# Altium PCB uAMDC.PcbDoc (part 4 of 6) (continued)
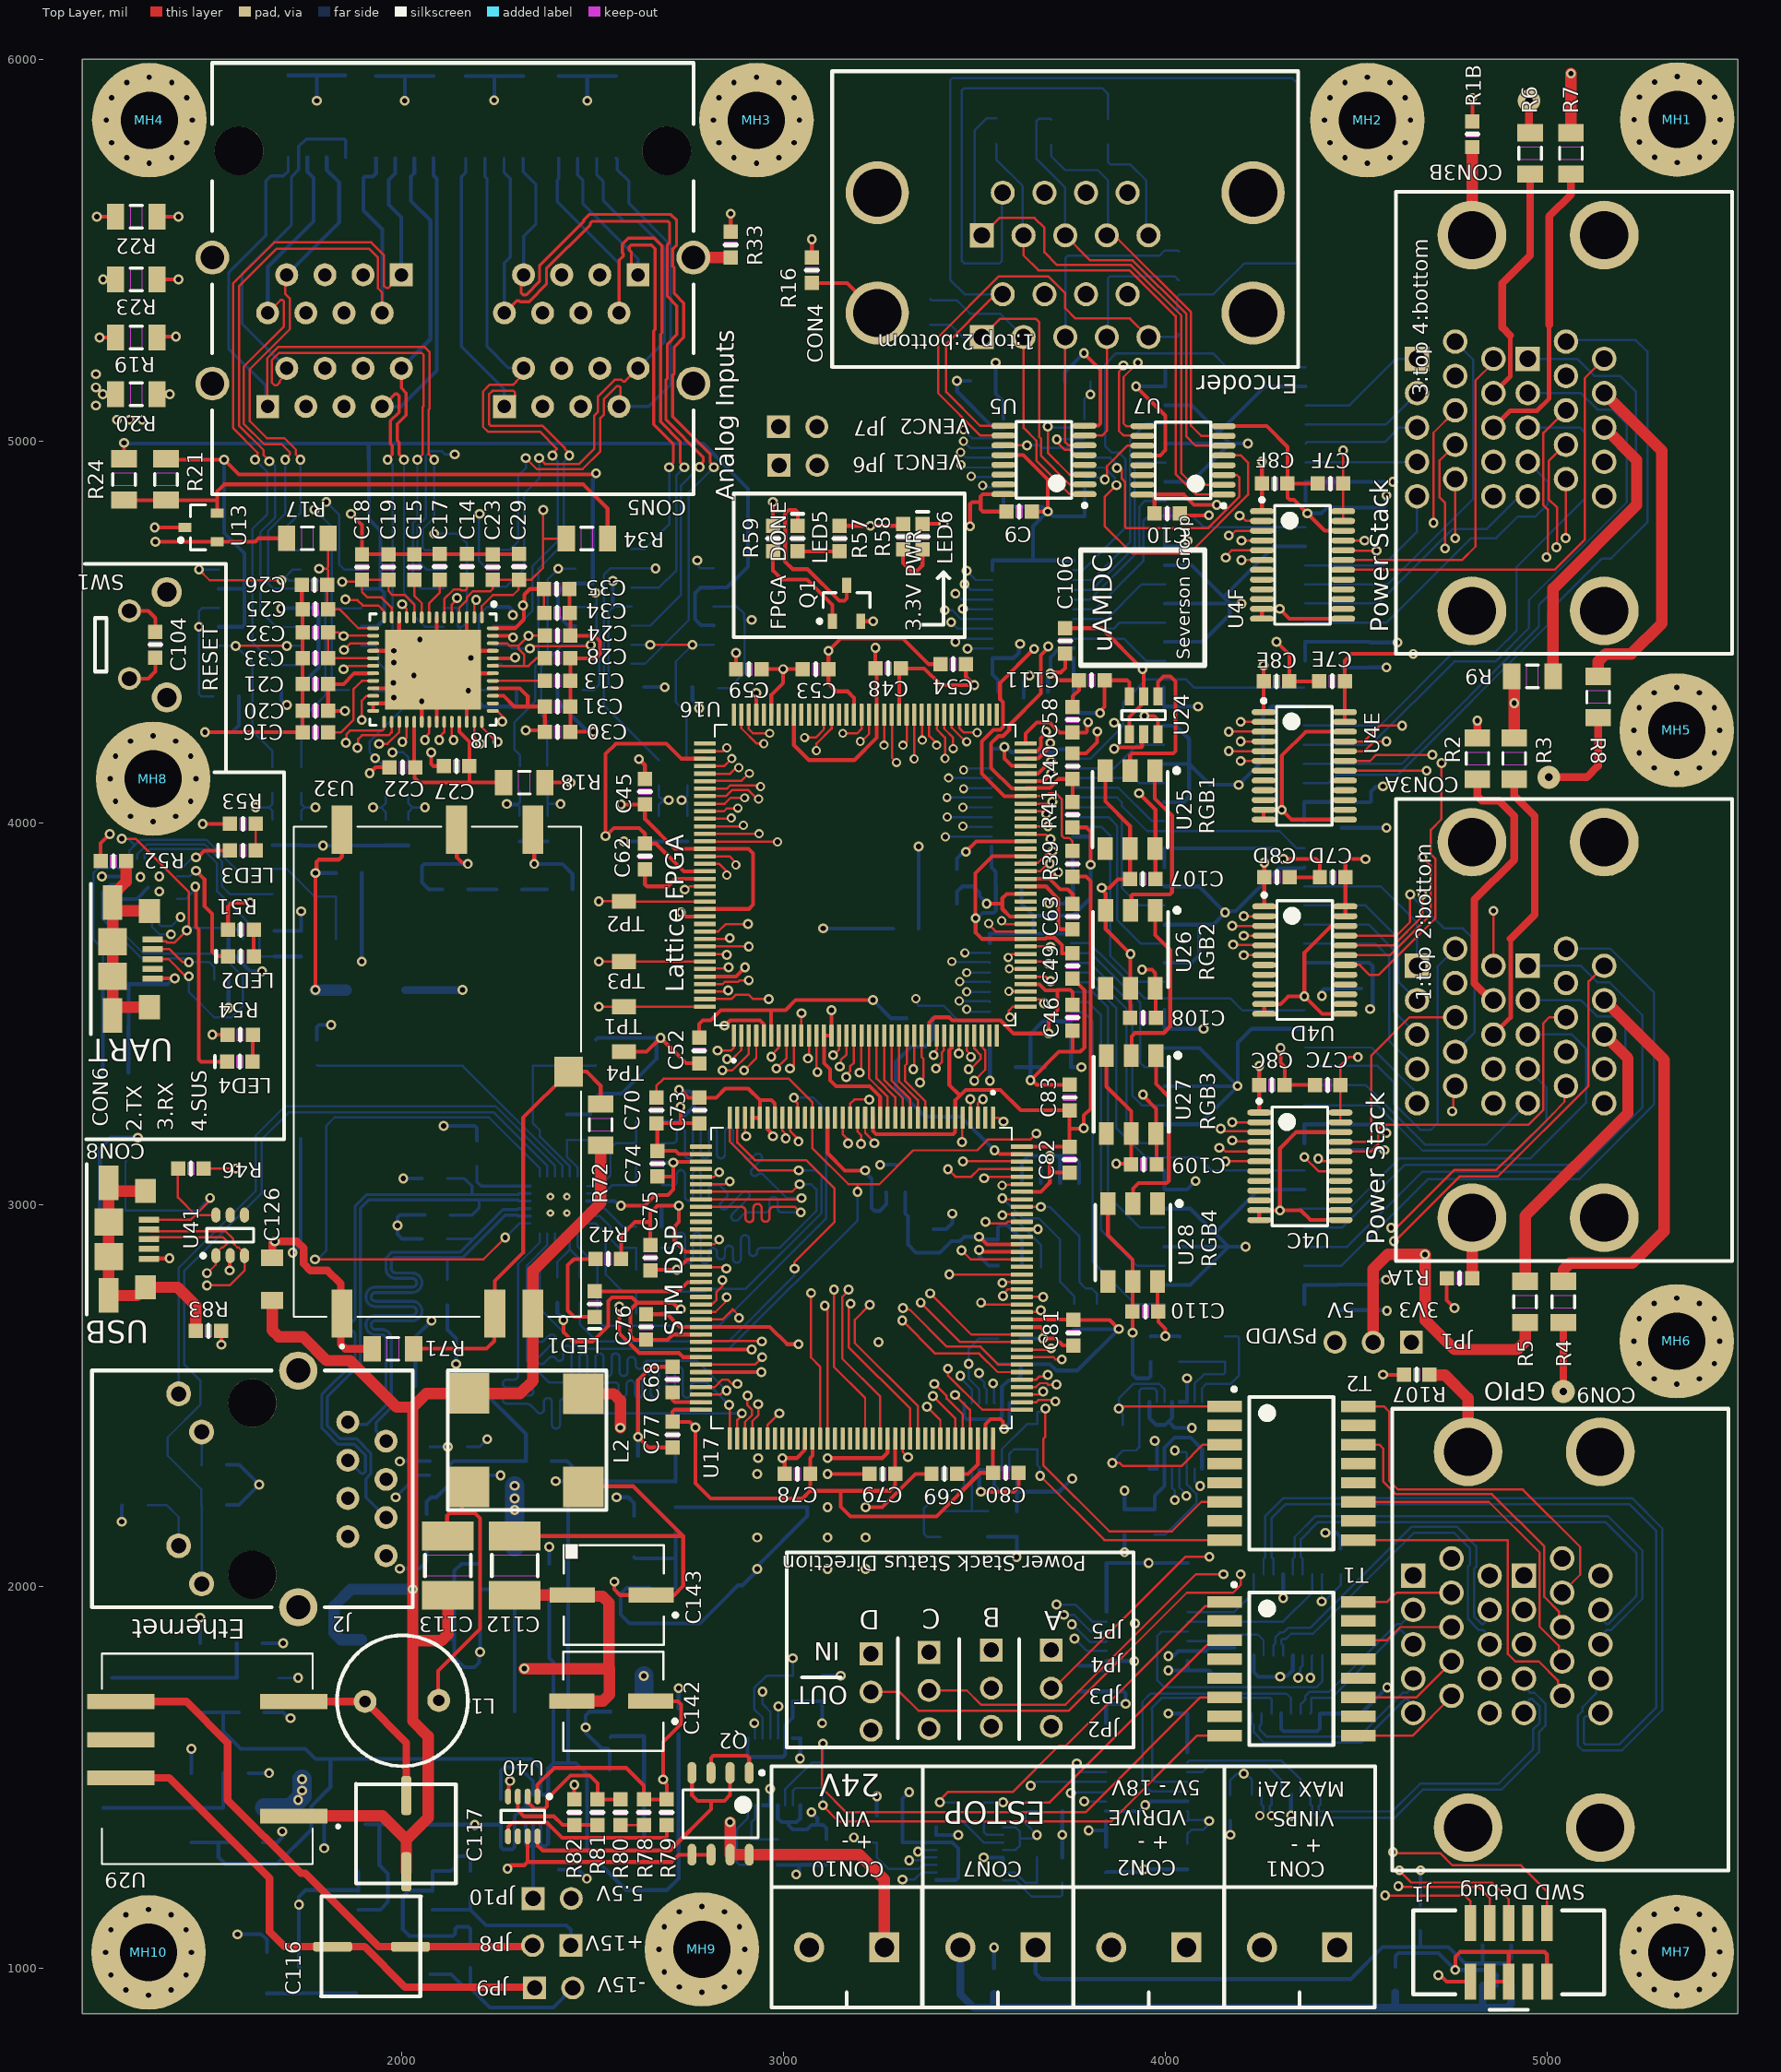
[diagram p0: Top Layer view]
## Nets (pads, with @x,y where several pads share a name; then routed paths per layer and width w, separated by ;. In a path a pad name is that pad's centre, name@x,y a point inside that pad or via, vN(x,y) a via of type N, cw(c..) or ccw(c..) an arc to the next point about the centre after c; other vN are vias at no path point) (continued)
  Top Layer w6: U16.115@2795,4088.96 2852.41,4088.96 2861.45,4098 2937.21,4098 v3(2940.94,4094.27)
  Int2 (Sign) w6: v3(2940.94,4094.27) 2978.25,4094.27 3081.99,3990.54 v3(3471,3990.54)
  Bottom Layer w6: v3(3471,3990.54) 3472.51,3989.02 U2B.4@3545.7,3989.02
LV_INV1_PWM4: U2B.3 U16.116 | length 808.8
  Top Layer w6: U16.116@2795,4069.28 2849.69,4069.28 2866.42,4086 2907.7,4086 2931.7,4062 v3(2936,4062)
  Int2 (Sign) w6: v3(2936,4062) 2993.55,4062 3092.55,3963 v3(3425,3963)
  Bottom Layer w6: v3(3425,3963) 3425.22,3963.22 3545.48,3963.22 U2B.3@3545.7,3963.43
LV_INV1_PWM5: U2C.10 U16.117 | length 921.2
  Top Layer w6: U16.117@2795,4049.59 2846.98,4049.59 2862.39,4065 v3(2899,4065)
  Int2 (Sign) w6: v3(2899,4065) 2903.12,4065 2939.12,4029 3009.58,4029 3094.1,3944.49 3190.51,3944.49 v3(3476,3659)
  Bottom Layer w6: v3(3476,3659) 3476.3,3658.7 3541.11,3658.7 U2C.10@3541.4,3658.41
LV_INV1_PWM6: U2C.9 U16.118 | length 922.1
  Top Layer w6: U16.118@2795,4029.91 2844.96,4029.91 2852.3,4037.25 2880.62,4037.25 v3(2881.67,4038.3)
  Int2 (Sign) w6: v3(2881.67,4038.3) 2912.85,4038.3 2934.15,4017 3004.61,4017 3095.97,3925.64 3159.36,3925.64 3438.01,3646.99 3438.01,3639.65 v3(3441.46,3636.2)
  Bottom Layer w6: v3(3441.46,3636.2) 3443.15,3634.51 3539.71,3634.51 U2C.9@3541.4,3632.82
LV_INV2_PWM1: U2C.4 U16.124 | length 934.8
  Top Layer w6: U16.124@2795,3911.8 2859.62,3911.8 2875.78,3895.64 2876,3895.41 v3(2876,3889)
  Int2 (Sign) w6: v3(2876,3889) 2876,3893.67 2876.87,3894.54 2918.67,3852.74 3063.45,3852.74 3412.69,3503.5 3440.58,3503.5 3448.08,3511 v3(3480.84,3511)
  Bottom Layer w6: v3(3480.84,3511) 3484.35,3507.49 3484.35,3504.18 3540.72,3504.18 U2C.4@3541.4,3504.87
LV_INV2_PWM2: U2C.5 U16.122 | length 924.1
  Top Layer w6: U16.122@2795,3951.17 2796.32,3949.85 v3(2985,3949.85)
  Int2 (Sign) w6: v3(2985,3949.85) 3405.85,3529 3428.72,3529 3432.91,3533.19 v3(3460.65,3533.19)
  Bottom Layer w6: v3(3460.65,3533.19) 3461.83,3532 3539.86,3532 U2C.5@3541.4,3530.46
LV_INV2_PWM3: U2C.6 U16.121 | length 918.2
  Top Layer w6: U16.121@2795,3970.85 v3(2937.21,3970.85)
  Int2 (Sign) w6: v3(2937.21,3970.85) 2999.85,3970.85 3413.23,3557.46 v3(3480.84,3557.46)
  Bottom Layer w6: v3(3480.84,3557.46) 3481.55,3556.76 3540.69,3556.76 U2C.6@3541.4,3556.05
LV_INV2_PWM4: U2C.7 U16.120 | length 919.6
  Top Layer w6: U16.120@2795,3990.54 2893.54,3990.54 v3(2896,3993)
  Int2 (Sign) w6: v3(2896,3993) 2994.67,3993 3406.03,3581.64 3460.05,3581.64 v3(3462.17,3583.76)
  Bottom Layer w6: v3(3462.17,3583.76) 3463.23,3582.7 3540.34,3582.7 U2C.7@3541.4,3581.64
LV_INV2_PWM5: U2C.8 U16.119 | length 916.5
  Top Layer w6: U16.119@2795,4010.22 2862.22,4010.22 v3(2864,4012)
  Int2 (Sign) w6: v3(2864,4012) 2866,4014 2920.18,4014 2929.18,4005 2999.64,4005 3396.64,3608 3480.08,3608 v3(3480.83,3607.25)
  Bottom Layer w6: v3@3480.84,3607.24 U2C.8@3541.4,3607.23
LV_INV2_PWM6: U2C.3 U16.125 | length 929.7
  Top Layer w6: U16.125@2795,3892.11 2832.88,3892.11 2852.57,3872.42 v3(2852.57,3863)
  Int2 (Sign) w6: v3(2852.57,3863) 2865.99,3863 2890.99,3838 3048.49,3838 v3(3347.71,3538.78)
  Bottom Layer w6: v3(3347.71,3538.78) 3351.16,3535.34 3351.16,3523.84 3354.53,3520.47 3419.53,3520.47 3460.72,3479.28 U2C.3@3541.4,3479.28
LV_INV3_PWM1: U2A.10 U16.85 | length 754
  Top Layer w6: v3(3313.87,4202.72) 3323.35,4212.19 U16.85@3323.35,4282.66
  Int2 (Sign) w6: v3(3313.87,4202.72) 3313.87,4606.87 3367,4660 v1(3480,4660)
  Bottom Layer w6: v1(3480,4660) 3504.43,4635.57 U2A.10@3547.7,4635.57
LV_INV3_PWM2: U2A.9 U16.84 | length 754.2
  Top Layer w6: v3(3343.03,4167) U16.84@3343.03,4282.66
  Int2 (Sign) w6: v3(3343.03,4167) 3343.03,4573.13 3394.9,4625 v1(3475,4625)
  Bottom Layer w6: v1(3475,4625) 3476.07,4625 3491.09,4609.98 U2A.9@3547.7,4609.98
LV_INV3_PWM3: U2A.8 U16.83 | length 619.9
  Top Layer w6: U16.83@3362.72,4282.66 3363.37,4282 3363.37,4216.66 v3(3364.03,4216)
  Int2 (Sign) w6: v3(3364.03,4216) 3364.03,4563.41 3400.62,4600 v1(3451,4600)
  Bottom Layer w6: v1(3451,4600) 3466.61,4584.39 U2A.8@3547.7,4584.39
LV_INV3_PWM4: U2A.7 U16.82 | length 640.2
  Top Layer w6: U16.82@3382.4,4282.66 3382.4,4227.28 3402.09,4207.59 v3(3402.09,4202.72)
  Int2 (Sign) w6: v3(3402.09,4202.72) 3402.09,4207.59 3379.87,4229.81 3379.87,4559.85 3401.02,4581 3432.91,4581 3450.61,4563.3 3467.48,4563.3 v1(3470.93,4559.85)
  Bottom Layer w6: v1(3470.93,4559.85) 3471.46,4559.32 3547.17,4559.32 U2A.7@3547.7,4558.8
LV_INV3_PWM5: U2A.6 U16.81 | length 672.3
  Top Layer w6: U16.81@3402.09,4282.66 3402.09,4244.87 3424,4222.95 v3(3424,4168.16)
  Int2 (Sign) w6: v1(3423.1,4556.39) 3391.87,4525.16 3391.87,4248.78 3424,4216.66 v3(3424,4168.16)
  Bottom Layer w6: v1(3423.1,4556.39) 3443.28,4556.39 3466.46,4533.2 U2A.6@3547.7,4533.2
LV_INV3_PWM6: U2A.5 U16.80 | length 570.1
  Top Layer w6: U16.80@3421.77,4282.66 3421.77,4246.18 3445,4222.95 v3(3445,4194.03)
  Int2 (Sign) w6: v2(3440,4525) 3411.1,4496.1 3411.1,4256.86 3442.77,4225.18 3442.77,4196.26 v3(3445,4194.03)
  Bottom Layer w6: v2(3440,4525) 3457.39,4507.61 U2A.5@3547.7,4507.61
LV_INV4_PWM1: U2B.8 U16.110 | length 799.8
  Top Layer w6: U16.110@2795,4187.39 2843.44,4187.39 v3(2852.3,4196.25)
  Int2 (Sign) w6: v3(2852.3,4196.25) 2895.53,4196.25 2905.71,4186.07 2958.06,4186.07 3055.17,4088.96 v3(3472.53,4088.96)
  Bottom Layer w6: v3(3472.53,4088.96) 3473.74,4090.17 3544.49,4090.17 U2B.8@3545.7,4091.39
LV_INV4_PWM2: U2B.9 U16.107 | length 744.8
  Top Layer w6: U16.107@2890.28,4282.66 2890.28,4247.28 2930.48,4207.07 v3(2949.33,4207.07)
  Int2 (Sign) w6: v3(2949.33,4207.07) 2954.03,4207.07 3044.13,4116.98 v3(3433,4116.98)
  Bottom Layer w6: v3(3433,4116.98) U2B.9@3545.7,4116.98
LV_INV4_PWM3: U2B.10 U16.106 | length 720.8
  Top Layer w6: U16.106@2909.96,4282.66 2909.96,4244.78 2920.74,4234 v3(2964.86,4234)
  Int2 (Sign) w6: v3(2964.86,4234) 3062.1,4136.76 3305.7,4136.76 3306.91,4137.98 v3(3472.53,4137.98)
  Bottom Layer w6: v3(3472.53,4137.98) 3475.52,4137.98 3480.11,4142.57 U2B.10@3545.7,4142.57
LV_INV4_PWM4: U2A.3 U16.78 | length 426.4
  Top Layer w6: U16.78@3461.14,4282.66 3461.19,4282.61 3461.19,4248.34 3473.54,4236 v3(3508,4236)
  Int2 (Sign) w6: v2(3483,4455.83) 3482.83,4456 3464.71,4456 3455,4446.29 3455,4270.54 3487,4238.54 3505.46,4238.54 v3(3508,4236)
  Bottom Layer w6: v2(3483,4455.83) 3483.3,4456.13 3547.4,4456.13 U2A.3@3547.7,4456.43
LV_INV4_PWM5: U2A.4 U16.79 | length 498.1
  Top Layer w6: U16.79@3441.46,4282.66 3441.56,4282.56 3441.56,4248.4 3477.76,4212.19 v3(3480.83,4212.19)
  Int2 (Sign) w6: v2(3451,4474) 3430.13,4474 3423.1,4466.97 3423.1,4269.93 v3(3480.83,4212.19)
  Bottom Layer w6: v2(3451,4474) 3456.41,4474 3464.44,4482.02 U2A.4@3547.7,4482.02
LV_INV4_PWM6: U2B.7 U16.112 | length 801.1
  Top Layer w6: U16.112@2795,4148.02 2845.43,4148.02 v3(2865.11,4167.7)
  Int2 (Sign) w6: v3(2865.11,4167.7) 2959.46,4167.7 3061.16,4066 v3(3429,4066)
  Bottom Layer w6: v3(3429,4066) 3429.2,4065.8 U2B.7@3545.7,4065.8
LV_INV_STS_A1: U4C.3 U16.41 | length 782.3
  Top Layer w6: U16.41@3635.16,3596.83 3688.17,3596.83 v1(3700,3585) ; v2(4145.52,3198.52) 4149.03,3195 4149.03,3191.43 4244.84,3191.43 U4C.3@4246.7,3189.57
  Int2 (Sign) w6: v1(3700,3585) 3735.96,3585 3740.96,3580 3764.03,3580 v2(4145.52,3198.52)
LV_INV_STS_A2: U4C.4 U16.39 | length 863.3
  Top Layer w6: v3(3591,3558) 3591.27,3557.73 3634.89,3557.73 U16.39@3635.16,3557.46 ; v2(4176,3167.57) 4177.8,3165.77 4244.91,3165.77 U4C.4@4246.7,3163.98
  Int2 (Sign) w6: v3(3591,3558) 3754.92,3558 4142.81,3170.11 4173.45,3170.11 v2(4176,3167.57)
LV_INV_STS_A3: U4C.5 U16.38 | length 777.7
  Top Layer w6: U16.38@3635.16,3537.78 3672.7,3537.78 v1(3683.21,3527.26) ; v2(4142,3148.11) 4142.9,3149.01 4147.87,3149.01 4158.5,3138.39 U4C.5@4246.7,3138.39
  Int2 (Sign) w6: v1(3683.21,3527.26) 3762.85,3527.26 v2(4142,3148.11)
LV_INV_STS_A4: U4C.6 U16.37 | length 893.6
  Top Layer w6: v3(3593.7,3490.34) 3591,3493.04 3591,3507.91 3600.99,3517.89 3634.96,3517.89 U16.37@3635.16,3518.09 ; v1(4158.5,3112.8) U4C.6@4246.7,3112.8
  Int2 (Sign) w6: v3(3593.7,3490.34) 3596.04,3488 3776.24,3488 4077,3187.24 4077,3158 4121.5,3113.5 4157.79,3113.5 v1(4158.5,3112.8)
LV_INV_STS_B1: U4D.3 U16.45 | length 647.4
  Top Layer w6: U16.45@3635.16,3675.57 3699.43,3675.57 v1(3700,3675) ; v2(4176,3729.57) U4D.3@4259.7,3729.57
  Int2 (Sign) w6: v1(3700,3675) 3704.74,3675 3759.31,3729.57 v2(4176,3729.57)
LV_INV_STS_B2: U4D.4 U16.44 | length 744
  Top Layer w6: v3(3589.36,3646.88) 3592.24,3649.76 3592.24,3650.54 3597.59,3655.89 U16.44@3635.16,3655.89 ; v2(4206,3703.98) U4D.4@4259.7,3703.98
  Int2 (Sign) w6: v3(3589.36,3646.88) 3594.48,3652 3747.85,3652 3799.83,3703.98 v2(4206,3703.98)
LV_INV_STS_B3: U4D.5 U16.43 | length 649
  Top Layer w6: U16.43@3635.16,3636.2 3683.38,3636.2 3689.59,3630 v1(3695,3630) ; v2(4178.28,3680.66) 4179.42,3679.52 4258.56,3679.52 U4D.5@4259.7,3678.39
  Int2 (Sign) w6: v1(3695,3630) 3697.42,3632.42 3778.19,3632.42 3824.16,3678.39 4176,3678.39 v2(4178.28,3680.66)
LV_INV_STS_B4: U4D.6 U16.42 | length 733.4
  Top Layer w6: v3(3592,3617) 3592.24,3616.76 3634.92,3616.76 U16.42@3635.16,3616.52 ; v2(4206.07,3652.87) 4206.11,3652.83 U4D.6@4259.7,3652.8 U4D.6@4259.7,3652.8
  Int2 (Sign) w6: v3(3592,3617) 3601,3608 3901.89,3608 3946.68,3652.8 4206,3652.8 v2(4206.07,3652.87)
LV_INV_STS_C1: U4E.3 U16.56 | length 766.7
  Top Layer w6: U16.56@3635.16,3892.11 3637.67,3894.62 3666.87,3894.62 3697.24,3925 v1(3705,3925) ; v2(4167,4238.41) U4E.3@4258.4,4238.41
  Int2 (Sign) w6: v1(3705,3925) 3705.34,3925 3706.23,3925.89 4018.75,4238.41 v2(4167,4238.41)
LV_INV_STS_C2: U4E.4 U16.55 | length 770.9
  Top Layer w6: U16.55@3635.16,3872.43 3672.43,3872.43 3693,3893 v1(3698.41,3893) ; v2(4198,4212.82) U4E.4@4258.4,4212.82
  Int2 (Sign) w6: v1(3698.41,3893) 3696.36,3893 3695.47,3892.11 3707.11,3892.11 4027.82,4212.82 v2(4198,4212.82)
LV_INV_STS_C3: U4E.5 U16.48 | length 936.9
  Top Layer w6: v3(3572.21,3743.21) 3573.79,3743.21 3582.69,3734.31 3634.84,3734.31 U16.48@3635.16,3734.63 ; v2(4167,4187.23) U4E.5@4258.4,4187.23
  Int2 (Sign) w6: v3(3572.21,3743.21) 3573,3744 3690.78,3744 4134.01,4187.23 v2(4167,4187.23)
LV_INV_STS_C4: U4E.6 U16.47 | length 1015.8
  Top Layer w6: v3(3538,3736) 3538,3733 3556.06,3714.94 U16.47@3635.16,3714.94 ; v2(4198,4161.64) U4E.6@4258.4,4161.64
  Int2 (Sign) w6: v3(3538,3736) 3544,3736 3557.79,3722.21 3685.96,3722.21 4125.39,4161.64 v2(4198,4161.64)
LV_INV_STS_D1: U4F.3 U16.64 | length 1052.4
  Top Layer w6: U16.64@3635.16,4049.59 3699.59,4049.59 v1(3705,4055) ; v2(4167,4752) 4172.41,4752 4184.98,4764.57 U4F.3@4253.7,4764.57
  Int2 (Sign) w6: v1(3705,4055) 3727.48,4077.48 3727.48,4312.48 v2(4167,4752)
LV_INV_STS_D2: U4F.4 U16.63 | length 1063
  Top Layer w6: U16.63@3635.16,4029.91 3681.42,4029.91 v1(3688.79,4022.54) ; v2(4200,4738.98) U4F.4@4253.7,4738.98
  Int2 (Sign) w6: v1(3688.79,4022.54) 3703.65,4022.54 3739.48,4058.37 3739.48,4305.26 4158.22,4724 4183.86,4724 4198.84,4738.98 v2(4200,4738.98)
LV_INV_STS_D3: U4F.5 U16.61 | length 1065.8
  Top Layer w6: U16.61@3635.16,3990.54 v1(3693.34,3990.54) ; v2(4159.24,4693.91) 4159.24,4698.09 4174.53,4713.39 U4F.5@4253.7,4713.39
  Int2 (Sign) w6: v1(3693.34,3990.54) 3696.78,3993.98 3707.23,3993.98 3752.25,4039 3752.25,4287.25 4158.91,4693.91 v2(4159.24,4693.91)
LV_INV_STS_D4: U4F.6 U16.60 | length 1073.8
  Top Layer w6: U16.60@3635.16,3970.85 3637.47,3968.54 3688.42,3968.54 v1(3699.95,3957) ; v2(4200,4687.8) U4F.6@4253.7,4687.8
  Int2 (Sign) w6: v1(3699.95,3957) 3769,4026.05 3769,4276.68 3925.9,4433.59 3945.79,4433.59 v2(4200,4687.8)
LV_RGB_LED: U16.105 U24.3 | length 1175.3
  Top Layer w10: U16.105@2929.65,4282.66 v1(2929.65,4340) ; v1(3946,4279) 3971.31,4279 3981.19,4269.12 U24.3@3981.19,4232.05
  Int3 (Sign) w10: v1(2929.65,4340) 2933.65,4336 3889,4336 v1(3946,4279)
NetC13_1: C13.1 U8.45 | length 136.4
  Top Layer w6: U8.45@2239.5,4371.47 C13.1@2375.87,4371.47
NetC14_1: C14.1 U8.6 | length 144
  Top Layer w6: U8.6@2112.53,4537.81 2112.53,4586.41 2136.71,4610.6 2154.94,4610.6 2156.58,4608.96 2168.07,4608.96 2171.58,4612.48 C14.1@2171.58,4636.66
NetC15_1: C15.1 U8.9 | length 106.2
  Top Layer w6: C15.1@2033.79,4635.89 2033.79,4594.78 2053.47,4575.09 U8.9@2053.47,4537.81
NetC16_1: C16.1 U8.22 | length 220.9
  Top Layer w6: C16.1@1808.46,4236.79 1842.49,4236.79 1874.54,4268.84 1874.54,4349.28 1887.25,4361.99 1896.73,4371.47 U8.22@1926.5,4371.47
NetC17_1: C17.1 U8.8 | length 110.4
  Top Layer w6: U8.8@2073.16,4537.81 2073.16,4575.09 2101,4602.93 C17.1@2101,4636.66
NetC62_2: C62.2 U16.127 | length 207
  Top Layer w10: C62.2@2638,3878.33 2638,3838.91 2643.86,3833.06 2697.87,3833.06 2717.56,3852.74 U16.127@2795,3852.74
NetC63_2: C63.2 U16.53 | length 212.4
  Top Layer w10: U16.53@3635.16,3833.06 3687.56,3833.06 3720.32,3800.3 3720.32,3726.71 3726.18,3720.85 C63.2@3758,3720.85
NetC68_1: C68.1 U17.71 | length 96.9
  Top Layer w10: C68.1@2710,2507.71 2710,2487.98 2715.86,2482.12 U17.71@2784.71,2482.12
NetC69_1: C69.1 U17.106 | length 132.2
  Top Layer w10: C69.1@3455.46,2294.09 3484.36,2294.09 3509.91,2319.64 U17.106@3509.91,2386.84
NetC98_1: C98.1 C99.1 C100.1 CON6.1 R50.2 U21.7 U22.6 | length 1396.2
  Top Layer w6: v2(1268.2,3957.8) 1304.45,3957.8 1443.8,3818.44 1443.8,3723.66 v2(1438,3717.85) 1438,3717.36 1405.9,3685.25 1387.67,3685.25 1383.89,3689.03 1354.19,3689.03 CON6.1@1349.32,3693.91
  Bottom Layer w6: v2(1268.2,3957.8) 1285.15,3957.8 1302.07,3940.87 ; U21.7@1287.94,3905.57 1287.94,3926.75 1302.07,3940.87 ; v2(1438,3717.85) 1444.71,3724.56 1564.2,3724.56 1585.01,3703.75 U22.6@1585.01,3695.87 ; C100.1@1829.41,3695.94 C99.1@1829.41,3752 C98.1@1829.41,3806.94 1772.06,3806.94 1700,3879 R50.2@1662.75,3879 1565.97,3879 1489.97,3955 1316.2,3955 1302.07,3940.87
NetC101_2: C101.2 C102.2 C103.2 U21.6 | length 606.9
  Bottom Layer w6: C101.2@1218.79,3577.22 1218.79,3669.22 1194.22,3693.79 1194.22,3868.43 1207.11,3881.32 1259.06,3881.32 U21.6@1261.37,3879
  Bottom Layer w10: C103.2@1218.66,3345 C102.2@1218.66,3467 ; C102.2@1218.79,3467.13 C101.2@1218.79,3577.22
NetC112_2: C112.2 C143.1 L2.1 Q2.5 Q2.6 U40.7 | length 2718.4
  Top Layer w10: v2(2278.28,1260.03) 2287.53,1269.27 2322.25,1269.27 2330.82,1277.83 ; C112.2@2297,2131.48 2738.06,2131.48 ; U40.7@2330.8,1344.83 2330.82,1277.83 ; L2.1@2477,2259.91 2479.09,2262 2607.54,2262 2738.06,2131.48 ; v2(2558,2011.75) 2558,1991.66 2572.66,1977 C143.1@2654,1977 2714.63,1977 2738.06,2000.43 2738.06,2131.48 ; Q2.6@2811,1296.72 Q2.5@2761,1296.72 2726.79,1296.72 2707.91,1277.83 2330.82,1277.83
  Int2 (Sign) w10: v2(2278.28,1260.03) 2274.97,1260.03 2247,1288 2247,1772.62 2321.46,1847.08 2499.08,1847.08 2558,1906 v2(2558,2011.75)
NetC113_2: C113.2 L1.1 L2.4 | length 748.2
  Top Layer w10: L1.1@2098,1701 2096,1703 2096,1778 2206,1888 2206,2178 2193,2191 2159.43,2191 ; C113.2@2122,2131.48 2120,2133.48 2120,2185.14 2125.86,2191 2159.43,2191 ; L2.4@2177.79,2259.91 2159.43,2241.55 2159.43,2191
NetC116_1: C116.1 JP8.2 U29.5 | length 1433.1
  Top Layer w20: U29.5@1265.62,1698 1437,1698 1545,1590 1545,1440.48 1737.24,1248.24 1748.53,1248.24 1940.77,1056 C116.1@2024,1056 2341,1056 JP8.2@2344,1059
NetC116_2: C116.2 JP9.1 U29.7 | length 1393.2
  Top Layer w20: U29.7@1265.62,1498 1392,1498 1655,1235 1655,1095 1694,1056 C116.2@1820,1056 1904,1056 2010,950 2347,950 JP9.1@2349,948
NetC125_1: C125.1 R66.2 U31.1 U31.2 | length 253.2
  Bottom Layer w10: R66.2@2610,2075.87 2612.87,2073 U31.1@2718,2073 ; C125.1@2718,1996 U31.1@2718,2073 ; U31.2@2718,2140 U31.1@2718,2073
NetC129_1: C129.1 R67.2 U33.2 U33.4 | length 417
  Bottom Layer w10: U33.4@1242.84,1760 U33.2@1473.16,1760 R67.2@1569.33,1760 C129.1@1569.33,1850.55
NetC130_2: C130.2 C137.1 U34.6 U34.7 U38.5 | length 623.8
  Bottom Layer w10: C137.1@2181,1067.46 2181,1102.55 2175.14,1108.41 2146.7,1108.41 2140.84,1102.55 2140.84,1089.86 2134.99,1084 U38.5@2076.24,1084 2021,1084 2004.13,1100.87 2004.13,1187.25 2019.87,1203 U34.7@2082.24,1203 U34.6@2082.24,1253 2083.28,1254.04 2130.17,1254.04 2140.84,1264.72 2140.84,1287.28 2146.7,1293.14 2175.14,1293.14 2181,1287.28 C130.2@2181,1254.46
NetC131_1: C131.1 R73.2 U34.1 | length 370.3
  Bottom Layer w10: U34.1@1887.76,1153 1945,1153 1965,1173 1965,1247 1942.33,1269.67 1942.33,1376 ; R73.2@1906.13,1376 1942.33,1376 ; C131.1@1978.54,1376 1942.33,1376
NetC134_1: C134.1 R75.2 U35.2 U35.4 | length 413.9
  Bottom Layer w10: C134.1@2206.18,1991.66 2293.78,1991.66 R75.2@2296.73,1994.61 U35.2@2296.73,1902.79 U35.4@2296.73,1672.47
NetC135_1: C135.1 R74.2 U36.2 U36.4 | length 404.3
  Bottom Layer w10: U36.4@1220,1420 U36.2@1450.32,1420 R74.2@1533.74,1420 C135.1@1533.74,1510.55
NetC138_2: C138.2 R77.2 U38.1 | length 234.1
  Bottom Layer w10: R77.2@1648,933.87 1648.33,933.54 C138.2@1734,933.54 1734.46,934 U38.1@1881.76,934
NetC139_1: C139.1 R76.2 U37.2 U37.4 | length 408
  Bottom Layer w10: C139.1@2548,1604.54 2550.99,1607.53 R76.2@2635.73,1607.53 U37.2@2635.73,1518.79 U37.4@2635.73,1288.47
NetC141_2: C141.2 U39.6 | length 213.1
  Bottom Layer w10: C141.2@2261,1442.46 2261,1517 2270,1526 2309.16,1526 2345.16,1490 U39.6@2345.16,1454.2
NetC144_1: C144.1 C145.1 C146.1 CON8.1 R46.2 U41.6 | length 747.5
  Top Layer w6: CON8.1@1338.86,2960.17 1449.02,2960.17 1461,2972.15 ; R46.2@1415.55,3094 1415,3093.45 1415,3018.15 1461,2972.15 ; v2(1499,3017) 1499,3010.15 1461,2972.15 ; U41.6@1514.6,2972.15 1461,2972.15
  Bottom Layer w6: C144.1@1279.46,3113 1277.59,3111.13 1277.59,2984.13 C146.1@1277.46,2984 1466,2984 v2(1499,3017)
NetC147_2: C147.2 C148.2 E1.2 J2.4 J2.5 R84.2 R85.2 R86.2 R90.2 U42.5 | length 3198.4
  Int2 (Sign) w10: J2.5@1860,2230 1868.53,2238.53 1918.53,2238.53 J2.4@1960,2280
  Int3 (Sign) w10: J2.5@1860,2230 1781,2230 1710,2301 1710,2484.65 1645,2549.65 1645,2969 1744,3068 v1(2005,3068) ; v1(1990,2945) 1990,3048.67 2005,3063.67 v1(2005,3068) ; v2(2143.54,2582) 2143.54,2583.54 2145,2585 2143.54,2586.46 2143.54,2929.46 v1(2005,3068)
  Bottom Layer w10: v1(2005,3068) R86.2@2053.54,3068 ; R90.2@2053.54,2910 2001.72,2910 1990,2921.72 v1(1990,2945) 1990,2966.46 1995.86,2972.31 R84.2@2061.41,2972.31 ; C148.2@2066.54,2188.88 2066.54,2221.54 2077.89,2232.89 2091.62,2232.89 2122.81,2264.08 2122.81,2315 2135.81,2328 U42.5@2173.21,2328 C147.2@2326.54,2328 2326.54,2398.46 2200,2525 E1.2@2143.54,2525 v2(2143.54,2582) 2143.54,2649.42 2120.46,2672.5 R85.2@2120.46,2736.03
NetC151_2: C151.2 C153.2 U43.6 | length 167.3
  Bottom Layer w6: U43.6@2461.21,3073.8 2461.21,3097.66 2433.65,3125.22 C151.2@2433.65,3168.69 C153.2@2494.68,3168.69
NetC152_1: C152.1 U43.4 X2.2 | length 779.7
  Bottom Layer w6: C152.1@1779,3364.54 1780.54,3363 X2.2@1969.99,3363 2160.68,3363 2421.84,3101.84 U43.4@2421.84,3073.8
NetC158_1: C158.1 U43.5 X2.1 | length 495.2
  Bottom Layer w6: U43.5@2441.53,3073.8 2441.53,3099.13 2362.79,3177.87 2362.79,3194.28 2344.01,3213.06 X2.1@2344.01,3363 2507.46,3363 C158.1@2509,3364.54
NetCON3A_12A: CON3A.12A R2.1 | length 712.3
  Top Layer w20: R2.1@4818,4113.87 4818,4069.72 4829.72,4058 4874,4058 4914.54,4017.46 4914.54,3903.02 4810,3798.48 4810,3579 4854,3535 CON3A.12A@4860,3535
NetCON3A_12B: CON3A.12B R4.1 | length 1005.6
  Top Layer w30: R4.1@5043,2798.88 5043,2828.43 5060.57,2846 5223,2846 5307,2930 5307,3378 CON3A.12B@5150,3535
NetCON3A_13A: CON3A.13A R3.1 | length 735.7
  Top Layer w12: CON3A.13A@4860,3445 4905,3490 4905,3696
  Top Layer w20: 4905,3696 4968,3759 4968,4017.46 4914.54,4070.91 R3.1@4914.54,4113.87
NetCON3A_13B: CON3A.13B R5.1 | length 783.2
  Top Layer w30: R5.1@4943,2798.88 4943,2970 5212,3239 5212,3383 CON3A.13B@5150,3445
NetCON3B_12A: CON3B.12A R6.1 | length 631
  Top Layer w12: CON3B.12A@4860,5125 4904,5169 4904,5276
  Top Layer w20: 4904,5276 4883,5297 4883,5413 4956,5486 R6.1@4956,5698.87
NetCON3B_12B: CON3B.12B R8.1 | length 912.8
  Top Layer w30: R8.1@5134,4383.13 5134,4422 5154,4442 5221,4442 5301,4522 5301,4974 CON3B.12B@5150,5125
NetCON3B_13A: CON3B.13A R7.1 | length 789
  Top Layer w12: CON3B.13A@4860,5035 4904,5079 4974,5079 5006,5111 5006,5304
  Top Layer w20: 5006,5304 5006,5588 5063,5645 R7.1@5063,5698.87
NetCON3B_13B: CON3B.13B R9.1 | length 777.8
  Top Layer w30: R9.1@5016.13,4383.13 5016.13,4475.87 5016,4476 5016,4613 5235,4832 5235,4950 CON3B.13B@5150,5035
NetCON7_1: CON7.1 R60.2 U23.4 U23.6 | length 1503.9
  Bottom Layer w10: CON7.1@3660.85,1054 3660.85,986.15 3676,971 4486,971 4570,1055 4669,1055 ; R60.2@4669,1097.54 4669,1055 ; U23.4@4831.6,1060.15 4831.6,1012 ; U23.6@4906.4,1060.15 4906.4,1024.27 4894.13,1012 4831.6,1012 ; 4669,1055 4742.69,1055 4785.69,1012 4831.6,1012
NetJ2_9: J2.9 U43.3 | length 1667.6
  Bottom Layer w6: J2.9@1417,2504 1417,2834 1619,3036 1619,3181 1695,3257 2247,3257 2402.16,3101.84 U43.3@2402.16,3073.8
NetJ2_10: J2.10 R99.2 | length 86.8
  Bottom Layer w6: R99.2@1477,2317.54 R99.2@1476.54,2318 1477,2318.46 J2.10@1477,2404
NetJ2_11: J2.11 R102.2 | length 168.4
  Bottom Layer w6: R102.2@1336.46,2212 1386,2212 1417,2181 J2.11@1417,2106
NetJ2_12: J2.12 R100.2 U43.2 | length 2200.5
  Bottom Layer w6: J2.12@1477,2006 1477,2212.54 R100.2@1476.54,2213 1476.54,2253.47 1388,2342 1388,2390 1474,2476 1474,2538 1432,2580 1432,2827 1634,3029 1634,3170 1705,3241 2242.25,3241 2382.47,3100.78 U43.2@2382.47,3073.8
NetLED1_C: LED1.C R42.1 | length 275
  Top Layer w10: LED1.C@2506,2705.54 2452.46,2705.54 2436,2722 2436,2841 2452,2857 R42.1@2508.54,2857
NetLED2_A: LED2.A R51.1 | length 70
  Top Layer w10: LED2.A@1613.34,3649.75 R51.1@1613.34,3719.75
NetLED2_C: LED2.C U21.14 | length 332
  Top Layer w10: v1(1462.5,3874) 1484.58,3851.92 1484.58,3781.36 1504.45,3761.48 1504.45,3662.02 1516.72,3649.75 LED2.C@1546.41,3649.75
  Bottom Layer w6: U21.14@1412.94,3859.32 1446.07,3859.32 1460.76,3874 v1(1462.5,3874)
NetLED3_A: LED3.A R53.1 | length 70
  Top Layer w6: LED3.A@1618.46,3926.75 R53.1@1618.46,3996.75
NetLED3_C: LED3.C U21.13 | length 159.9
  Top Layer w10: v2(1462.5,3909) 1466.83,3909 1484.58,3926.75 LED3.C@1551.54,3926.75
  Bottom Layer w6: U21.13@1412.94,3879 1423.77,3879 1455.65,3910.88 1457.53,3909 v2(1462.5,3909)
NetLED4_A: LED4.A R54.1 | length 71.4
  Top Layer w10: LED4.A@1610.46,3373.75 1610.46,3443.75 R54.1@1611.46,3444.75
NetLED4_C: LED4.C U21.17 | length 598.1
  Top Layer w10: v1(1460.58,3832.67) 1462,3831.25 1462,3727.8 1470,3719.8 1470,3379.61 1475.86,3373.75 LED4.C@1543.54,3373.75
  Bottom Layer w6: U21.17@1412.94,3800.26 1435.26,3800.26 1460.58,3825.58 v1(1460.58,3832.67)
NetLED5_A: LED5.A R57.2 | length 110
  Top Layer w10: LED5.A@3038,4710.54 R57.2@3148,4710.54
NetLED5_C: LED5.C Q1.3 | length 441.5
  Top Layer w10: LED5.C@3038,4777.46 3038,4813.14 3032.14,4819 3015,4819 3005,4809 3005,4684 3025,4664 3064,4664 3147,4581 3160.14,4581 3166,4586.86 Q1.3@3166,4622
NetLED6_A: LED6.A R58.2 | length 141.5
  Top Layer w10: R58.2@3313.87,4715.53 3313.87,4679.87 3332.59,4661.16 3352.42,4661.16 3364.88,4673.61 LED6.A@3364.88,4715.53
NetQ1_1: Q1.1 R59.1 | length 285.6
  Top Layer w10: R59.1@2973.25,4710.54 2973.25,4660.43 2996.69,4637 3062,4637 3128.6,4570.4 Q1.1@3128.6,4527.51
NetQ2_1: Q2.1 Q2.3 | length 182.6
  Top Layer w10: Q2.3@2811,1511.28 2811,1550.14 2816.86,1556 2905.14,1556 2911,1550.14 Q2.1@2911,1511.28
NetQ2_2: Q2.2 Q2.4 U40.8 | length 779.2
  Top Layer w10: U40.8@2356.39,1344.83 2357.38,1343.84 2357.38,1320.69 2370.07,1308 2703.13,1308 2811,1415.87 2811,1438 ; Q2.4@2761,1511.28 2761,1453 2776,1438 2811,1438 ; Q2.2@2861,1511.28 2861,1453 2846,1438 2811,1438
NetR21_1: R21.1 R24.1 R34.1 U13.2 | length 1435.7
  Top Layer w10: R24.1@1274,4844.87 R21.1@1384,4844.87 1517.88,4844.87 ; U13.2@1517.88,4810.84 1517.88,4844.87 ; R34.1@2540.13,4744 2540.13,4822.87 2477,4886 1536,4886 1517.88,4867.88 1517.88,4844.87
NetR43_2: R43.2 U17.143 | length 648
  Top Layer w10: v2(3553.21,3141.72) 3557.54,3141.72 3567.54,3131.72 U17.143@3624.87,3131.72
  Bottom Layer w10: R43.2@3390.34,3487.75 3390.34,3432.45 3371.65,3413.76 3335,3413.76 3295,3373.76 3295,3306.65 3371.65,3230 3464.94,3230 3551.43,3143.51 3555,3143.51 v2(3553.21,3141.72)
NetR48A_1: R48A.1 R49A.2 U20A.15 | length 165.1
  Bottom Layer w6: U20A.15@3576,1250.26 3576.77,1249.49 3608.08,1249.49 3633.73,1223.84 R48A.1@3664.41,1223.84 R49A.2@3664.41,1289.63
NetR48A_2: R48A.2 U20A.16 | length 207.1
  Bottom Layer w6: U20A.16@3576,1230.57 3576.77,1229.81 3608.31,1229.81 3651.12,1187 3726,1187 3731.34,1192.34 R48A.2@3731.34,1223.84
NetR48B_1: R48B.1 R49B.2 U20B.15 | length 162
  Bottom Layer w6: U20B.15@2926.79,1426.4 2926.79,1392 2917,1382.21 R48B.1@2917,1337.34 R49B.2@2985.84,1337.34
NetR48B_2: R48B.2 U20B.16 | length 202.7
  Bottom Layer w6: U20B.16@2907.1,1426.4 2907.1,1392 2884.1,1369 2878,1362.9 2878,1277.83 2885.43,1270.41 R48B.2@2917,1270.41
NetR48C_1: R48C.1 R49C.2 U20C.15 | length 287
  Bottom Layer w6: R49C.2@4037.84,2587.53 R48C.1@4157,2587.53 4157,2558.51 4153.49,2555 4102,2555 4077.21,2530.21 U20C.15@4077.21,2482.87
NetR48C_2: R48C.2 U20C.16 | length 283.9
  Bottom Layer w6: U20C.16@4096.9,2482.87 4096.9,2518.4 4108.71,2530.21 4172.21,2530.21 4194,2552 4194,2650.94 4190.49,2654.46 R48C.2@4157,2654.46
NetR48D_1: R48D.1 R49D.2 U20D.15 | length 232.2
  Bottom Layer w6: R48D.1@3412,2196.34 3493.79,2196.34 ; U20D.15@3493.79,2304.4 3493.79,2196.34 ; R49D.2@3536.16,2196.34 3493.79,2196.34
NetR48D_2: R48D.2 U20D.16 | length 284.7
  Bottom Layer w6: R48D.2@3412,2129.41 3376.59,2129.41 3368.49,2137.51 3368.49,2202.95 3415.9,2250.37 3462.29,2250.37 3474.1,2262.18 U20D.16@3474.1,2304.4
NetR50_1: R50.1 U21.8 | length 468.7
  Bottom Layer w6: U21.8@1307.63,3905.57 1308.88,3906.83 1308.88,3917.66 1334.23,3943 1485,3943 1531,3897 1531,3833 1551.93,3812.07 R50.1@1662.75,3812.07
NetR55_2: R55.2 R56.2 U21.9 | length 618.8
  Bottom Layer w6: U21.9@1327.32,3905.57 1327.32,3916.4 1341.91,3931 1480.03,3931 1517.66,3893.37 1517.66,3819.94 1547.61,3790 1628,3709.61 1628,3655.52 1633.86,3649.66 R55.2@1668,3649.66
  Bottom Layer w10: R55.2@1668,3649.66 R56.2@1738,3649.66
NetR68_1: R68.1 U32.5 | length 335.8
  Top Layer w10: U32.5@2144.69,3981.46 2145.12,3981.04 2145.12,3909.33 2159.39,3895.06 2171.4,3895.06 v2(2174.46,3892)
  Bottom Layer w10: R68.1@2107.54,3825 2072,3825 2054.03,3842.97 2054.03,3886.14 2059.89,3892 v2(2174.46,3892)
NetR68_2: R68.2 R69.1 | length 74.7
  Bottom Layer w10: R68.2@2174.46,3825 R69.1@2249.2,3825
NetR69_2: R69.2 R70.2 | length 65.4
  Bottom Layer w10: R69.2@2316.13,3825 R70.2@2381.54,3825
NetR71_1: R71.1 R72.1 U32.2 U32.7 | length 1153.3
  Top Layer w10: R71.1@2032.13,2622 2223.46,2622 2243.86,2642.4 2243.86,2713.71 U32.2@2244.69,2714.54 2244.69,2799.69 2319,2874 2319,3227.03 2438,3346.03 U32.7@2438,3348 2484.82,3348 2522,3310.82 R72.1@2522,3263.13
NetR78_2: R78.2 R80.2 | length 61
  Top Layer w6: R80.2@2574,1374.54 R78.2@2635,1374.54
NetR79_2: R79.2 U40.5 | length 493.1
  Top Layer w10: U40.5@2279.61,1344.83 2279.8,1345.02 2279.8,1369.8 2291.25,1381.25 2381.17,1381.25 2421.41,1341.01 2691.49,1341.01 2695,1344.52 R79.2@2695,1374.54
NetR80_1: R80.1 R81.2 U40.2 | length 362.1
  Top Layer w10: U40.2@2330.8,1449.17 2330.8,1435.27 2348.57,1417.5 2375.31,1417.5 2381.17,1423.35 2381.17,1442.26 2443.06,1504.16 2493.53,1504.16 2514,1483.68 R81.2@2514,1441.46 R80.1@2574,1441.46
NetR81_1: R81.1 R82.1 U40.3 | length 260.6
  Top Layer w10: U40.3@2305.2,1449.17 2305.2,1413.51 2321.46,1397.25 2399.73,1397.25 2422.45,1374.54 R82.1@2453,1374.54 R81.1@2514,1374.54
NetR87_2: R87.2 R91.1 U43.7 | length 271.6
  Bottom Layer w6: U43.7@2486.8,3048.21 2519.88,3048.21 2548,3076.33 2548,3146.75 2562,3160.75 R91.1@2614.54,3160.75 R87.2@2614.54,3216.75
NetR88_2: R88.2 R92.1 U43.8 | length 195.2
  Bottom Layer w6: U43.8@2486.8,3028.53 2530.53,3028.53 2552,3050 R92.1@2615.66,3050 2614.54,3051.13 R88.2@2614.54,3107
NetR89_2: R89.2 R95.2 U43.11 | length 238.3
  Bottom Layer w6: U43.11@2486.8,2969.47 2519.88,2969.47 2547.35,2942 2547.35,2909.66 2571.01,2886 R95.2@2614.54,2886 R89.2@2614.54,2829
NetR93_1: R93.1 U43.10 | length 147.3
  Bottom Layer w6: U43.10@2486.8,2989.16 2532.69,2989.16 2579.85,2942 R93.1@2614.54,2942
NetR94_2: R94.2 U43.24 | length 185.2
  Bottom Layer w8: R94.2@2198,3100.54 2198,3059 2208.79,3048.21 U43.24@2337.2,3048.21
NetR96_1: R96.1 R97.2 U43.12 | length 321.5
  Bottom Layer w6: U43.12@2486.8,2949.79 2509.86,2949.79 2535.35,2924.29 2535.35,2816.5 2579.85,2772 R97.2@2614.54,2772 R96.1@2614.54,2715
NetR98_1: R98.1 R101.2 U43.14 | length 211.9
  Bottom Layer w6: R98.1@2408.63,2809.46 2408.63,2849.17 2441.53,2882.07 ; U43.14@2441.53,2924.2 2441.53,2882.07 ; R101.2@2468,2809.46 2468,2855.6 2441.53,2882.07